# Altium PCB PCB.PcbDoc
Units mil, origin at the board's own origin, x right, y up, seen from the top; angles counter-clockwise.
Board outline 3159.35 x 3159.47 mil, 2 copper layers (Top Layer, Bottom Layer); 112 components, 82 nets, 342 pads, 128 vias.
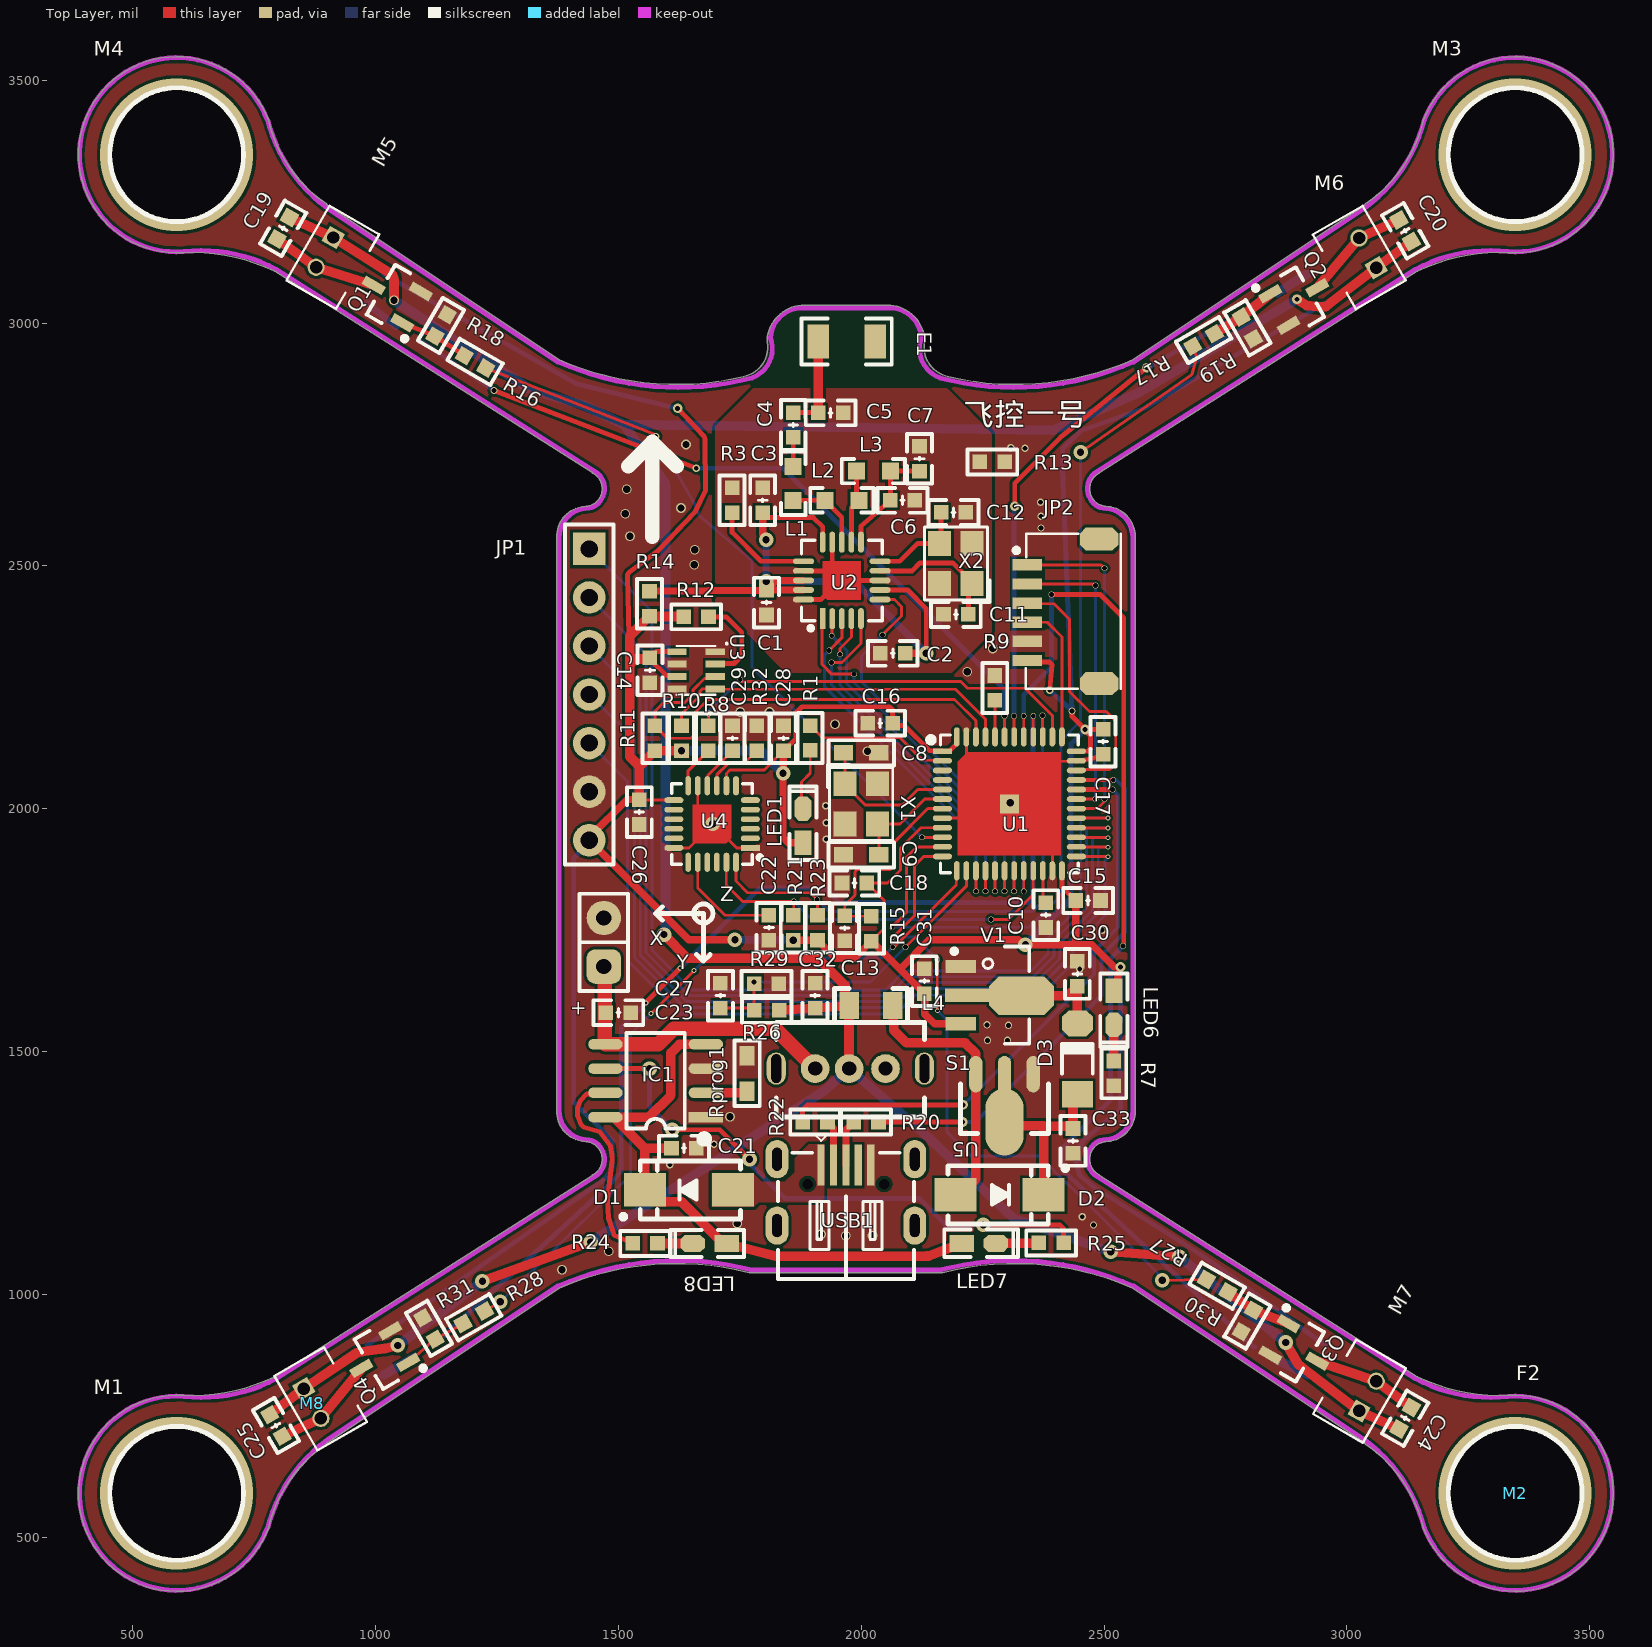
[diagram p0: Top Layer view]
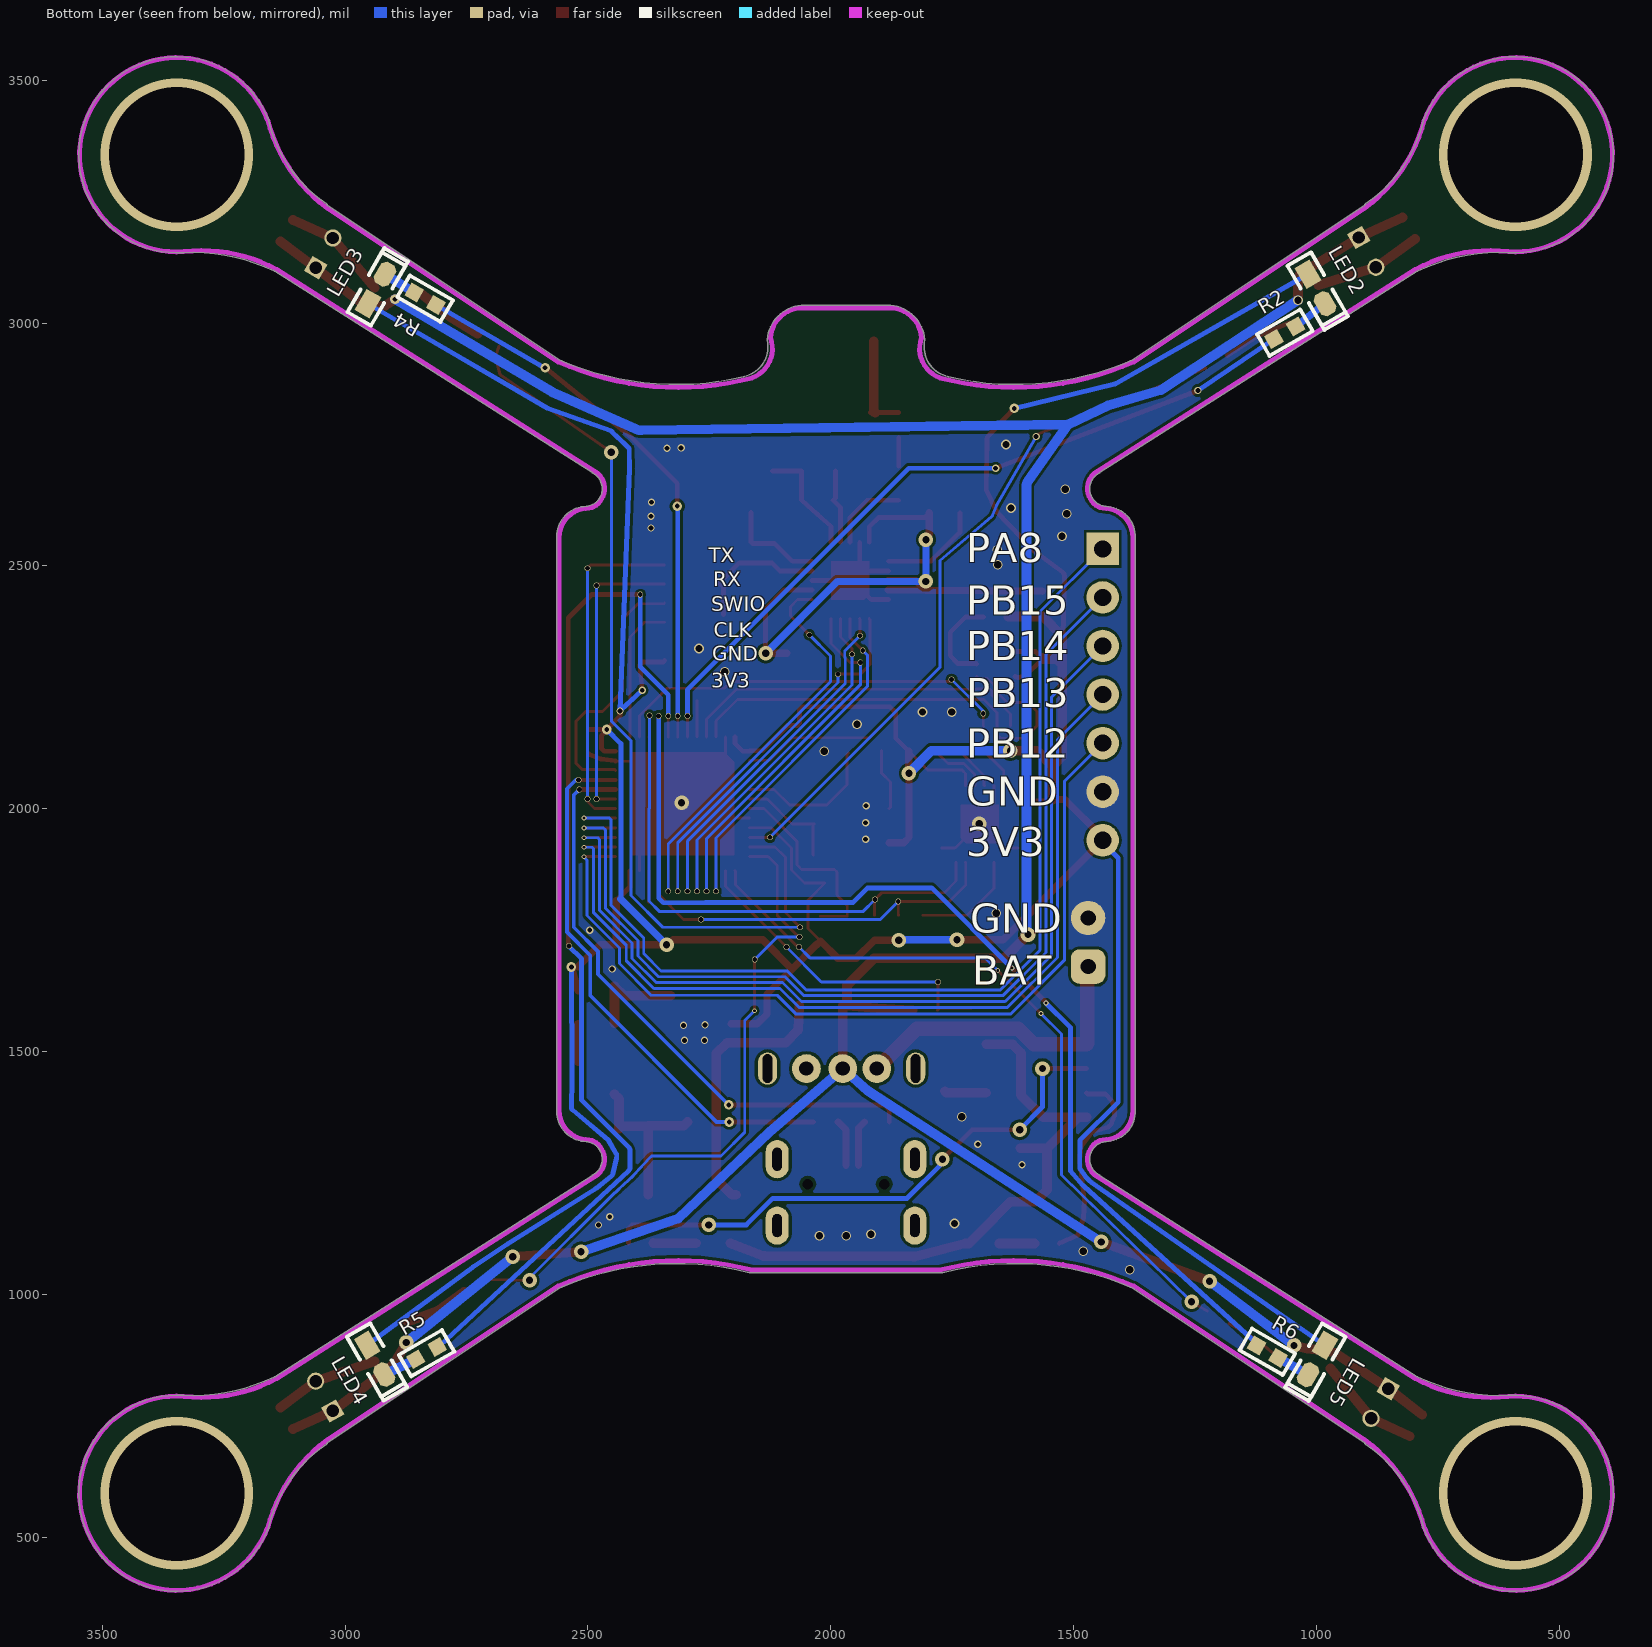
[diagram p1: Bottom Layer view, seen from below]

## Layer stack, top to bottom
Top Solder: solder mask 0.4, Solder Resist, Dk 3.5
Top Layer: signal copper 1.4
Dielectric 1: dielectric 12.6, FR-4, Dk 4.8
Bottom Layer: signal copper 1.4
Bottom Solder: solder mask 0.4, Solder Resist, Dk 3.5

## Board outline
604.16,791.88 ccw(c590.55,590.55) 779.7,520.26 ccw(c775,522.01) 779.88,520.84 cw(c1057.5,454.51) 898.6,691.63 ccw(c895.81,695.8) 900.73,694.8 1377.42,1012.59 cw(c1620,462.01) 1769.41,1044.82 cw(c1620,462.01) 1769.44,1044.81 1769.41,1044.82 ccw(c1770.68,1049.67) 1770.68,1044.65 2166.33,1044.65 ccw(c2166.33,1049.67) 2167.6,1044.82 cw(c2317.01,462.01) 2559.59,1012.59 3036.28,694.8 ccw(c3041.2,695.8) 3038.4,691.63 cw(c2879.51,454.51) 3157.13,520.84 ccw(c3162.01,522.01) 3157.31,520.26 ccw(c3346.46,590.55) 3548.24,590.55 ccw(c3346.46,590.55) 3332.85,791.88 ccw(c3332.42,786.88) 3332.22,791.89 cw(c3316,1187.58) 3146.44,829.7 ccw(c3144.29,825.17) 3144.3,830.18 2491.46,1244.32 ccw(c2487.01,1242.01) 2489.39,1246.42 cw(c2506.68,1278.4) 2503.69,1314.63 ccw(c2502.09,1376.61) 2564.09,1376.61 ccw(c2502.09,1376.61) 2564.07,1378.01 2564.07,2558.99 ccw(c2502.09,2560.4) 2564.09,2560.4 ccw(c2502.09,2560.4) 2503.69,2622.38 cw(c2506.68,2658.61) 2489.39,2690.59 ccw(c2487.01,2695) 2491.46,2692.69 3144.3,3106.82 ccw(c3144.29,3111.84) 3146.44,3107.31 cw(c3316,2749.43) 3332.22,3145.11 ccw(c3332.42,3150.13) 3332.85,3145.13 ccw(c3346.46,3346.46) 3548.24,3346.46 ccw(c3346.46,3346.46) 3157.31,3416.75 ccw(c3162.01,3415) 3157.13,3416.17 cw(c2879.51,3482.5) 3038.4,3245.38 ccw(c3041.2,3241.21) 3036.28,3242.21 2559.59,2924.41 cw(c2317.01,3475) 2179.72,2889.22 ccw(c2177.01,2885) 2178.11,2889.89 cw(c2191.87,2950.89) 2130.87,2964.62 cw(c2191.87,2950.89) 2130.88,2964.64 2130.87,2964.62 ccw(c2125.98,2965.75) 2131,2965.75 ccw(c2125.98,2965.75) 2130.98,2966.2 ccw(c2053.74,2959.25) 2047.02,3036.51 1889.98,3036.51 ccw(c1883.27,2959.25) 1806.03,2966.2 ccw(c1811.02,2965.75) 1806.14,2964.62 ccw(c1745.14,2950.89) 1806.13,2964.64 1806.14,2964.62 cw(c1745.14,2950.89) 1807.66,2950.89 cw(c1745.14,2950.89) 1758.9,2889.89 ccw(c1760,2885) 1757.28,2889.22 cw(c1620,3475) 1377.42,2924.41 900.73,3242.21 ccw(c895.81,3241.21) 898.6,3245.38 cw(c1057.5,3482.5) 779.88,3416.17 ccw(c775,3415) 779.7,3416.75 ccw(c590.55,3346.46) 604.16,3145.13 ccw(c604.59,3150.13) 604.79,3145.11 cw(c621,2749.43) 790.57,3107.31 ccw(c792.72,3111.84) 792.71,3106.82 1445.55,2692.69 ccw(c1450,2695) 1447.62,2690.59 cw(c1430.33,2658.61) 1466.68,2658.61 cw(c1430.33,2658.61) 1433.31,2622.38 ccw(c1434.92,2560.4) 1372.94,2559 ccw(c1434.92,2560.4) 1372.94,2558.94 1372.94,2559 1372.94,1378.02 ccw(c1434.92,1376.61) 1433.31,1314.63 cw(c1430.33,1278.4) 1466.68,1278.4 cw(c1430.33,1278.4) 1447.62,1246.42 ccw(c1450,1242.01) 1445.55,1244.32 792.71,830.18 ccw(c792.72,825.17) 790.57,829.7 cw(c621,1187.58) 604.79,791.89 ccw(c604.59,786.88)

## Design rules (kind name [scope] priority, off if disabled: settings)
Clearance [All] p1: gap=6 ignorepadtopadclearanceinfootprint=TRUE except(0: Arc-Hole Track-Hole SMDPad-Hole THPad-Hole Via-Hole Fill-Hole Poly-Hole Region-Hole Text-Hole)
HoleSize [All] p1: absolutevalues=TRUE maxlimit=350 minlimit=6 maxpercent=80.000 minpercent=20.000
PlaneConnect [All] p1: planeconnectstyle=Direct reliefexpansion=20 reliefentries=4 reliefconductorwidth=10 reliefairgap=10
PolygonConnect [All] p1: connectstyle=Direct reliefconductorwidth=10 reliefentries=4 polygonreliefangle="90 Angle" airgapwidth=10
RoutingVias [All] p1: holewidth=28 width=50 viastyle="Through Hole" minholewidth=8 minwidth=10 maxholewidth=30 maxwidth=350
SilkToSilkClearance [All] p1: silktosilkclearance=0
SilkToSolderMaskClearance [IsPad] p1: minsilkscreentomaskgap=0 clearancetoexposedcopper=TRUE
SolderMaskExpansion [All] p1: expansion=4 istentingtop=FALSE
Width [All] p1: maxlimit=30 minlimit=6 preferedwidth=10
26 further rules are at their usual default settings.

## Components (designator, comment, footprint, x,y, rotation, side; value= is the part's Value field where it differs from the comment)
+ "PAD2" PAD2-2.54 1470,1675 r90 top (schematic designator H1)
C1 "C_0603" "C 0603_L" 1805,2424.41 r270 top value=4.7uF
C2 "C_0603" "C 0603_L" 2065,2320 r180 top value=0.1uF
C3 "C_0603" "C 0603_L" 1797,2635 r90 top value=1nF
C4 "C_0603" "C 0603_L" 1860,2790 r90 top value=1.5pF
C5 "C_0603" "C 0603_L" 1937,2815 r180 top value=1pF
C6 "C_0603" "C 0603_L" 2085,2635 r180 top value=2.2nF
C7 "C_0603" "C 0603_L" 2120,2720.59 r270 top value=4.7pF
C8 "20pF" "R 0603_M" 2000,2115 r0 top
C9 "20pF" "R 0603_M" 2000,1905 r180 top
C10 "4.7uF" "C 0603_L" 2380,1781 r270 top
C11 "C_0603" "C 0603_L" 2195,2400 r0 top value=10pF
C12 "C_0603" "C 0603_L" 2190,2610 r180 top value=10pF
C13 "104" "C 0603_L" 1966,1754 r90 top
C14 "0.1uF" "C 0603_L" 1565,2285 r90 top
C15 "104" "C 0603_L" 2467,1811 r180 top
C16 "104" "C 0603_L" 2039,2176 r0 top
C17 "104" "C 0603_L" 2498,2138 r90 top
C18 "104" "C 0603_L" 1986,1847 r0 top
C19 "4.7uF" "C 0603_L" 810,3195 r60 top
C20 "4.7uF" "C 0603_L" 3120,3190 r300 top
C21 "10uF" "C 0603_L" 1635,1301 r180 top
C22 "2.2nF" "C 0603_L" 1810,1755 r90 top
C23 "10uF" "C 0603_L" 1500,1580 r180 top
C24 "4.7uF" "C 0603_L" 3120,745 r240 top
C25 "4.7uF" "C 0603_L" 795,730 r120 top
C26 "0.1uF" "C 0603_L" 1543,1993 r270 top
C27 "104" "C 0603_L" 1710,1615 r270 top
C28 "10nF" "C 0603_L" 1840,2145 r270 top
C29 "0.1uF" "C 0603_L" 1735,2145 r270 top
C30 "10uF" "C 0603_L" 2445,1660 r270 top
C31 "10uF" "C 0603_L" 2130,1645 r270 top
C32 "10uF" "C 0603_L" 1905,1615 r270 top
C33 "10uF" "C 0603_L" 2436,1316 r90 top
D1 "SS14" SMA 1645,1215 r180 top
D2 "SS14" SMA 2285,1205 r0 top
D3 "1N4148" "MINI_MELF (LL34)" 2445,1485 r90 top
E1 "ANT" "ANT - duplicate" 1970,2962 r0 top
F1 "Fan_3D" BLADEB -423,15 r315 top
F2 "Fan_3D" BLADEB 4071,-133 r45 top
F3 "Fan_3D" BLADEB 4278,3829 r315 top
F4 "Fan_3D" BLADEB -189,4063 r45 top
IC1 "TP4056" SOP8_N 1576.65,1440 r180 top
JP1 "HDR-1X7" HDR2.54-LI-7P 1440,2235 r270 top
JP2 "HDR-1X6" SH1.0-6P 2342,2502 r270 top
L1 "Inductor" "L 0603" 1860,2670 r90 top value=3.9nH
L2 "Inductor" "L 0603" 1960,2635 r180 top value=8.2nH
L3 "Inductor" "L 0603" 2025,2695 r0 top value=2.7nH
L4 "10uH" "L 0805" 2020,1595 r0 top
LED1 "红色" "LED 0603R" 1880.26,1965 r90 top
LED2 "红色" "LED 0603R" 1000,3070 r240 bottom
LED3 "红色" "LED 0603R" 2935,3070 r120 bottom
LED4 "红色" "LED 0603R" 2937.01,865 r240 bottom
LED5 "红色" "LED 0603R" 1000,865 r300 bottom
LED6 "红色" "LED 0603R" 2519.74,1590 r270 top
LED7 "绿色" "LED 0603G" 2242,1105 r0 top
LED8 "红色" "LED 0603R" 1688,1105 r180 top
M1 "Moter_3D" 720Motor 590.55,590.55 r0 top locked
M2 "Moter_3D" 720Motor 3346.46,590.55 r0 top locked
M3 "Moter_3D" 720Motor 3346.46,3346.46 r0 top locked
M4 "Moter_3D" 720Motor 590.55,3346.46 r0 top locked
M5 "Motor_720" MOTOR 895,3145 r240 top
M6 "Motor_720" MOTOR 3042.44,3144.8 r120 top
M7 "Motor_720" MOTOR 3042.94,791.07 r60 top
M8 "Motor_720" MOTOR 870,775 r300 top
Q1 "SI2302" SOT23-3N 1035,3055 r60 top
Q2 "SI2302" SOT23-3N 2900,3050 r300 top
Q3 "SI2302" SOT23-3N 2900,885 r240 top
Q4 "SI2302" SOT23-3N 1010,870 r120 top
R1 "1K" "R 0603_L" 1895,2145.59 r90 top
R2 "1K" "R 0603_L" 1065,2980 r330 bottom
R3 "R_0603" "R 0603_L" 1734,2635 r90 top value=22K
R4 "1K" "R 0603_L" 2835,3050 r210 bottom
R5 "1K" "R 0603_L" 2832,879 r150 bottom
R6 "1K" "R 0603_L" 1101,882 r30 bottom
R7 "1K" "R 0603_L" 2520,1455 r270 top
R8 "0R" "R 0603_L" 1685,2145 r90 top
R9 "10K" "R 0603_L" 2275,2248.59 r270 top
R10 "10K" "R 0603_L" 1630,2145 r270 top
R11 "10K" "R 0603_L" 1575,2145 r270 top
R12 "10K" "R 0603_L" 1660,2395 r180 top
R13 "R_0603" "R 0603_L" 2270,2714 r180 top value=0R
R14 "R_0603" "R 0603_L" 1564,2422 r90 top value=0R
R15 "1K" "R 0603_L" 2021,1753 r270 top
R16 "100R" "R 0603_L" 1205,2920 r330 top
R17 "100R" "R 0603_L" 2705,2965 r210 top
R18 "10K" "R 0603_L" 1135,2995 r60 top
R19 "10K" "R 0603_L" 2795,2990 r300 top
R20 "1K" "R 0603_L" 2010,1355 r0 top
R21 "4.7K" "R 0603_L" 1860,1755 r270 top
R22 "1K" "R 0603_L" 1905,1355 r180 top
R23 "4.7K" "R 0603_L" 1910,1755 r270 top
R24 "1K" "R 0603_L" 1555,1105 r0 top
R25 "1K" "R 0603_L" 2391,1106 r0 top
R26 "10K" "R 0603_L" 1805.59,1585 r0 top
R27 "100R" "R 0603_L" 2732.83,1017.79 r150 top
R28 "100R" "R 0603_L" 1202.16,952.8 r30 top
R29 "10K" "R 0603_L" 1805,1640 r180 top
R30 "10K" "R 0603_L" 2795,945 r240 top
R31 "10K" "R 0603_L" 1110,930 r120 top
R32 "4.7K" "R 0603_L" 1785,2145 r90 top
Rprog1 "2K/600mA" "R 0603_M" 1765,1455 r270 top
S1 "SW-SPDT" SWITCH_PWR 1825,1465 r90 top
U1 "STM32F401CUU6" "QFN48 7X7_M" 2305,2010 r270 top
U2 "Si24R1" "QFN20 4x4_M" 1960,2470 r0 top
U3 "FBM320\BMP280\SPL06" LGA-2_5X2MM 1660,2285 r0 top
U4 "MPU6050" "QFN24 4x4_M" 1692.91,1968.5 r90 top
U5 "HT7750SA" SOT-89(SOT-89-3) 2295,1453.43 r90 top
USB1 "USB-5P" USB-MICRO_D 1968.5,1141.73 r0 top
V1 "HT7833" SOT89_M 2286,1616 r270 top
X1 "8M" "OSC 3225-4P" 2000,2010 r270 top
X2 "16M" "OSC 3225-4P" 2195,2505 r90 top

## Footprints (in the part's own frame and the unit in brackets; to place one, negate y for a bottom-side part, rotate by r counter-clockwise, add the part's x,y. Pads: shape width x height; smd on the part's side, far side on the other; paste and mask are expansions set on the pad)
720Motor [mil]
  body extent -177,-177 177,177, height 799
"ANT - duplicate" [mm]
  rect 1.13x1.8 smd: 0(1.49,0) 1(-1.49,0)
  silkscreen extent -2.36,-1.2 2.35,1.2, body extent -2.25,-1 2.25,1, height 0.88
BLADEB [mil]
  body extent -1083,-157 1083,157, height 787
"C 0603_L" [mil] "无极性贴片电容                                       淘宝ID:黄晶宝石"
  rect 30x30 smd: 1(-25.59,0) 2(25.59,0)
  silkscreen extent -51,-26 51,26, body extent -31,-16 31,16, height 32
HDR2.54-LI-7P [mm] "排针，8脚"
  rect 1.7x1.7 hole 0.9: 1(-7.62,0)
  round 1.7 hole 0.9: 2(-5.08,0) 3(-2.54,0) 4(0,0) 5(2.54,0) 6(5.08,0) 7(7.62,0)
  silkscreen extent -8.89,-1.27 8.89,1.27, body extent -8.89,-1.27 8.89,1.27, height 8.5
"L 0603" [mil] "小功率贴片电感        淘宝ID:黄晶宝石"
  rect 35x35 smd: 1(-35,0) 2(35,0)
  silkscreen extent -65,-25 65,25, body extent -31,-16 31,16, height 31
"L 0805" [mil] "小功率贴片电感        淘宝ID:黄晶宝石"
  rect 40x55 smd: 1(-45,0) 2(45,0)
  silkscreen extent -75,-35 75,35, body extent -39,-24 39,24, height 35
"LED 0603G" [mil] "绿色0603LED                                   淘宝ID:黄晶宝石"
  rect 50x35 smd: 1(-35,0.26)
  oct 50x35 smd: 2(35,0.26)
  silkscreen extent -71,-28 81,28, body extent -31,-16 32,16, height 18
"LED 0603R" [mil] "红色0603LED                                           淘宝ID:黄晶宝石"
  rect 50x35 smd: 1(-35,0.26)
  oct 50x35 smd: 2(35,0.26)
  silkscreen extent -71,-28 81,28, body extent -31,-16 31,16, height 18
LGA-2_5X2MM [mm]
  rect 1x0.35 smd: 1(1.001,0.975) 2(1.001,0.325) 3(1.001,-0.325) 4(1.001,-0.975) 5(-1.001,-0.975) 6(-1.001,-0.325) 7(-1.001,0.325) 8(-1.001,0.975)
  silkscreen extent -1.02,-1.27 1.65,1.45, body extent -1.09,-1.35 1.09,1.31, height 0.9
"MINI_MELF (LL34)" [mm] "1.5*3.4mm(直径，脚距）"
  rect 1.37x1.62 smd: 1(-1.855,0)
  oct 1.37x1.62 smd: 2(1.855,0)
  silkscreen extent -0.76,-0.8 0.78,0.8, body extent -1.7,-0.75 1.7,0.75, height 1.5
MOTOR [mm]
  rect 0.9x0.9 hole 0.65: 1(-0.911,0)
  round 0.9 hole 0.65: 2(0.886,0)
  silkscreen extent -2.25,-1 2.25,2, body extent -2.09,-1.19 2.11,2.01, height 5
"OSC 3225-4P" [mm] "3.2*2.5*0.7mm(长宽高)                         淘宝ID:黄晶宝石"
  rect 1.3x1.2 smd: 1(-1.05,-0.85) 2(1.05,-0.85) 3(1.05,0.85) 4(-1.05,0.85)
  silkscreen extent -2.03,-1.75 1.91,1.65, body extent -1.6,-1.25 1.6,1.25, height 0.7
PAD2-2.54 [mm] "引线焊盘"
  rrect50% 1.8x1.8 hole 0.8: 1(0,0)
  round 1.8 hole 0.8: 2(2.54,0)
  silkscreen extent -1.27,-1.27 3.81,1.27
"QFN20 4x4_M" [mm] "20脚，长x宽x高：4x4x0.95mm，脚距：0.5mm"
  rect 0.3x1.1 smd: 1(-1,-2)
  oval 0.3x1.1 smd: 2(-0.5,-2) 3(0,-2) 4(0.5,-2) 5(1,-2) 11(1,2) 12(0.5,2) 13(0,2) 14(-0.5,2) 15(-1,2)
  oval 1.1x0.3 smd: 6(2,-1) 7(2,-0.5) 8(2,0) 9(2,0.5) 10(2,1) 16(-2,1) 17(-2,0.5) 18(-2,0) 19(-2,-0.5) 20(-2,-1)
  Top Layer region: -1,1 1,1 1,-1 -0.75,-1 -1,-0.75
  silkscreen extent -2.11,-2.6 2.11,2.11, body extent -2.01,-2.01 2.01,2.01, height 0.95
"QFN24 4x4_M" [mm] "24脚，长x宽x高：4x4x1mm，脚距：0.5mm"
  rect 0.3x1 smd: 1(-1.25,-2)
  oval 0.3x1 smd: 2(-0.75,-2) 3(-0.25,-2) 4(0.25,-2) 5(0.75,-2) 6(1.25,-2) 13(1.25,2) 14(0.75,2) 15(0.25,2) 16(-0.25,2) 17(-0.75,2) 18(-1.25,2)
  oval 1x0.3 smd: 7(2,-1.25) 8(2,-0.75) 9(2,-0.25) 10(2,0.25) 11(2,0.75) 12(2,1.25) 19(-2,1.25) 20(-2,0.75) 21(-2,0.25) 22(-2,-0.25) 23(-2,-0.75) 24(-2,-1.25)
  Top Layer region: -1,1 1,1 1,-1 -0.75,-1 -1,-0.75
  silkscreen extent -2.11,-2.6 2.11,2.11, body extent -2.01,-2.01 2.01,2.01, height 0.95
"QFN48 7X7_M" [mm] "48脚，长x宽x高：7x7x1mm，脚距：0.5mm"
  rect 0.3x1 smd: 1(-2.75,-3.5)
  oval 0.3x1 smd: 2(-2.25,-3.5) 3(-1.75,-3.5) 4(-1.25,-3.5) 5(-0.75,-3.5) 6(-0.25,-3.5) 7(0.25,-3.5) 8(0.75,-3.5) 9(1.25,-3.5) 10(1.75,-3.5) 11(2.25,-3.5) 12(2.75,-3.5) 25(2.75,3.5) 26(2.25,3.5) 27(1.75,3.5) 28(1.25,3.5) 29(0.75,3.5) 30(0.25,3.5) 31(-0.25,3.5) 32(-0.75,3.5) 33(-1.25,3.5) 34(-1.75,3.5) 35(-2.25,3.5) 36(-2.75,3.5)
  oval 1x0.3 smd: 13(3.5,-2.75) 14(3.5,-2.25) 15(3.5,-1.75) 16(3.5,-1.25) 17(3.5,-0.75) 18(3.5,-0.25) 19(3.5,0.25) 20(3.5,0.75) 21(3.5,1.25) 22(3.5,1.75) 23(3.5,2.25) 24(3.5,2.75) 37(-3.5,2.75) 38(-3.5,2.25) 39(-3.5,1.75) 40(-3.5,1.25) 41(-3.5,0.75) 42(-3.5,0.25) 43(-3.5,-0.25) 44(-3.5,-0.75) 45(-3.5,-1.25) 46(-3.5,-1.75) 47(-3.5,-2.25) 48(-3.5,-2.75)
  rect 1x1 smd mask+0.051: 49(0,0)
  Top Layer region: -2.7,2.7 2.7,2.7 2.7,-2.7 -2.214,-2.7 -2.7,-2.214
  silkscreen extent -3.6,-4.25 3.6,3.6, body extent -3.51,-3.51 3.51,3.51, height 0.95
"R 0603_L" [mil] "1/10W贴片电阻                 淘宝ID:黄晶宝石"
  rect 30x30 smd: 1(-25.59,0) 2(25.59,0)
  silkscreen extent -51,-26 51,26, body extent -31,-16 32,16, height 16
"R 0603_M" [mil] "1/10W贴片电阻                             淘宝ID:黄晶宝石"
  rect 40x31.5 smd: 1(-36.5,0) 2(36.5,0)
  silkscreen extent -68,-26 68,26, body extent -31,-16 32,16, height 16
SH1.0-6P [mm]
  rect 0.6x1.55 smd: 1(0,0) 2(1,0) 3(2,0) 4(3,0) 5(4,0) 6(5,0)
  oct 1.2x2 smd: A(-1.346,3.759) B(6.21,3.759)
  silkscreen extent -1.63,-0.7 6.48,4.89